# Altium PCB 400101.PcbDoc
Units mil, origin at the board's own origin, x right, y up, seen from the top; angles counter-clockwise.
Board outline 1662.55 x 630 mil, 4 copper layers (Top Layer, Mid-Layer 1, Mid-Layer 2, Bottom Layer), stack 80.154 mil thick; 78 components, 74 nets, 327 pads, 200 vias.
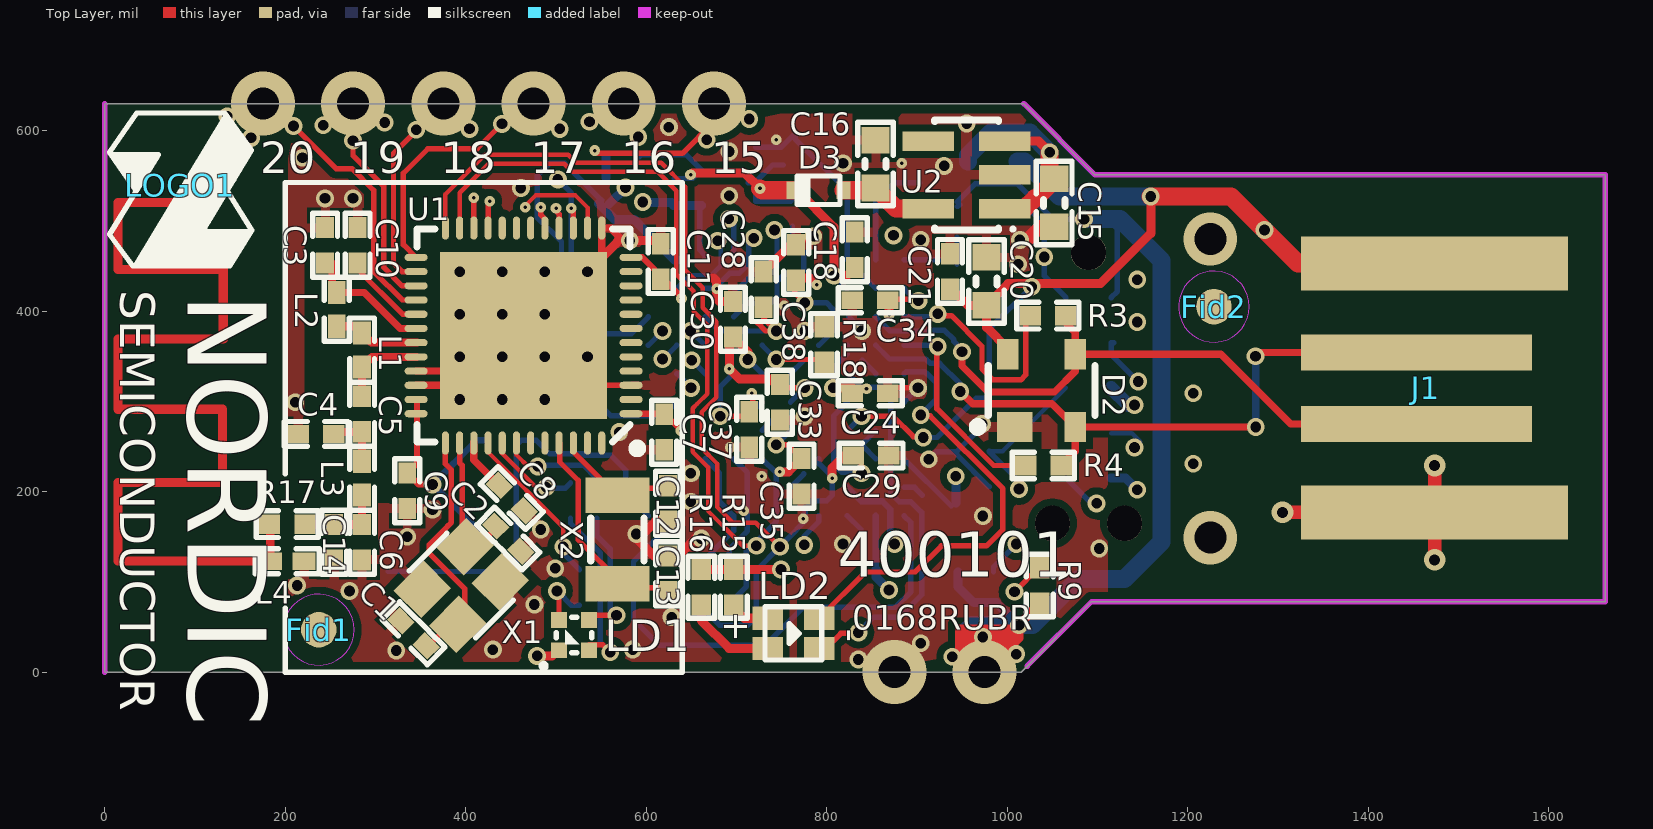
[diagram p0: Top Layer view]
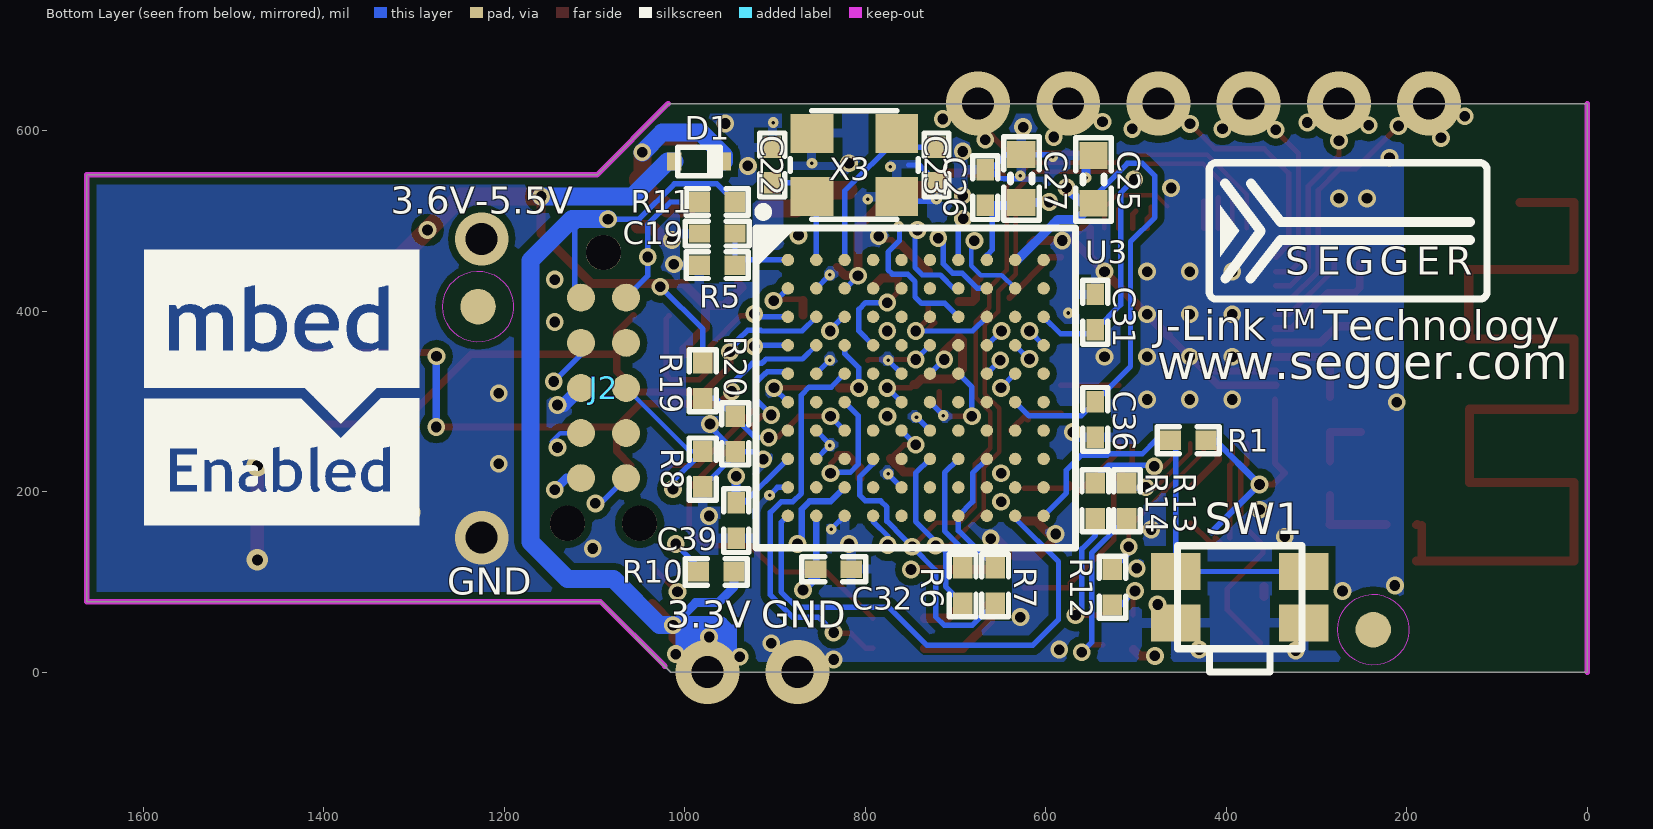
[diagram p1: Bottom Layer view, seen from below]
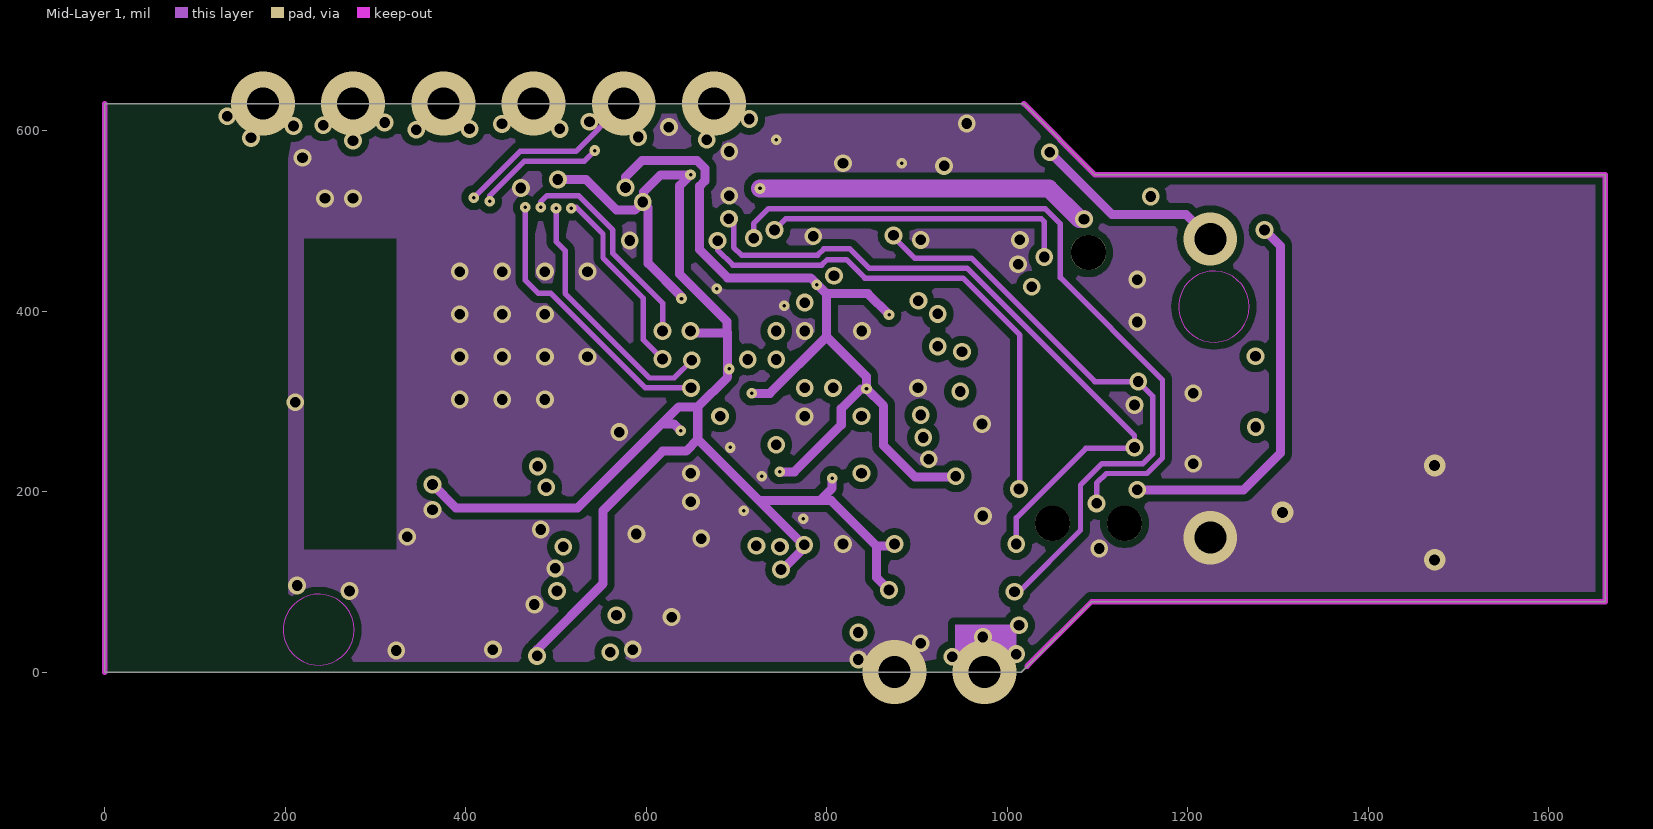
[diagram p2: Mid-Layer 1]
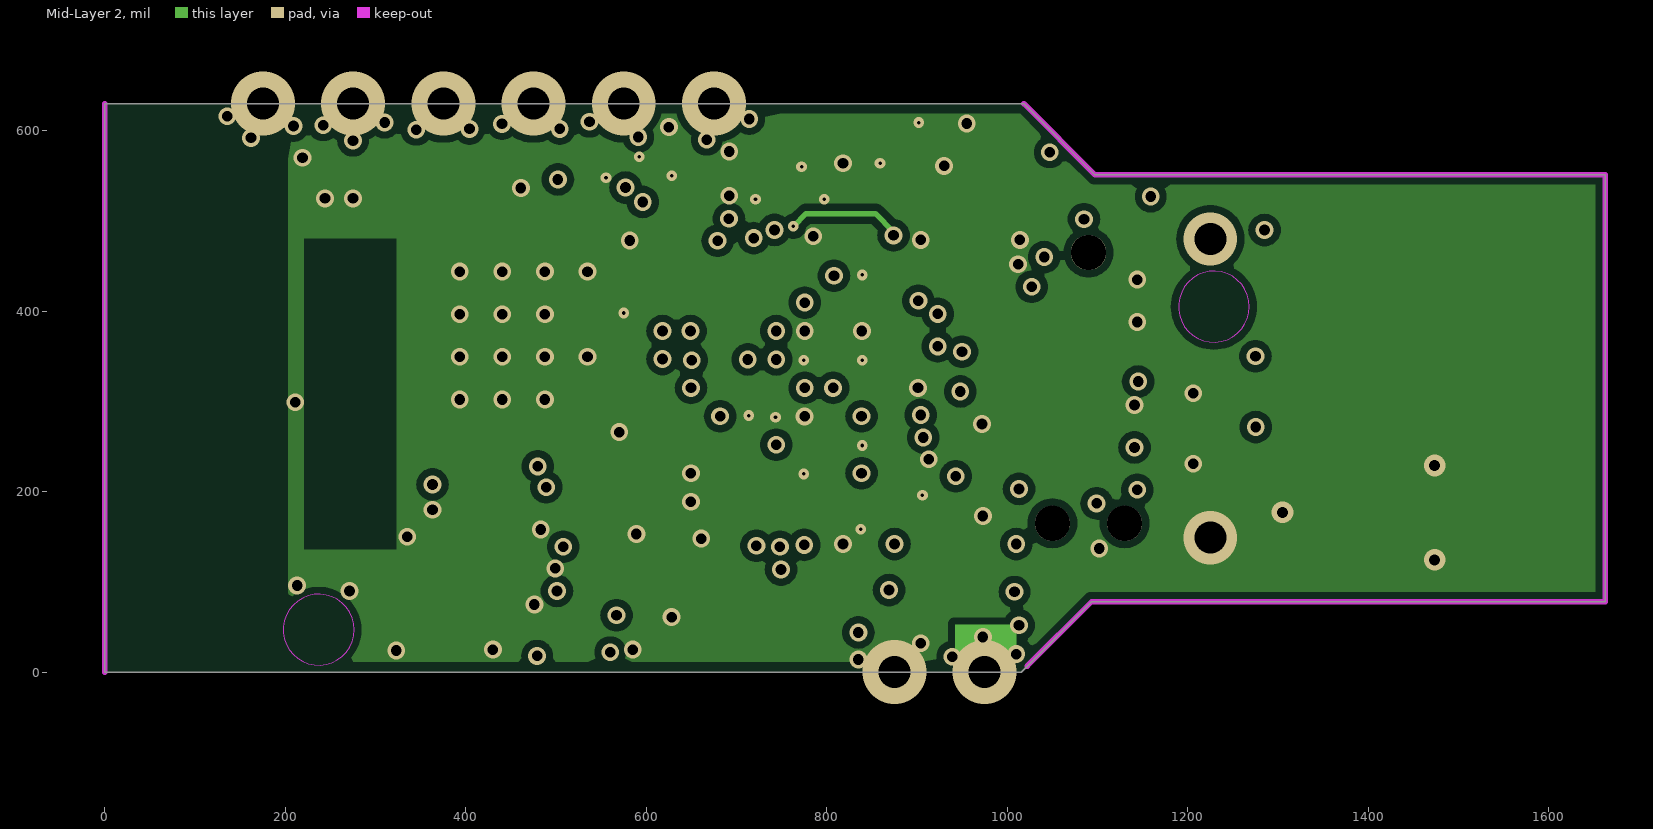
[diagram p3: Mid-Layer 2]
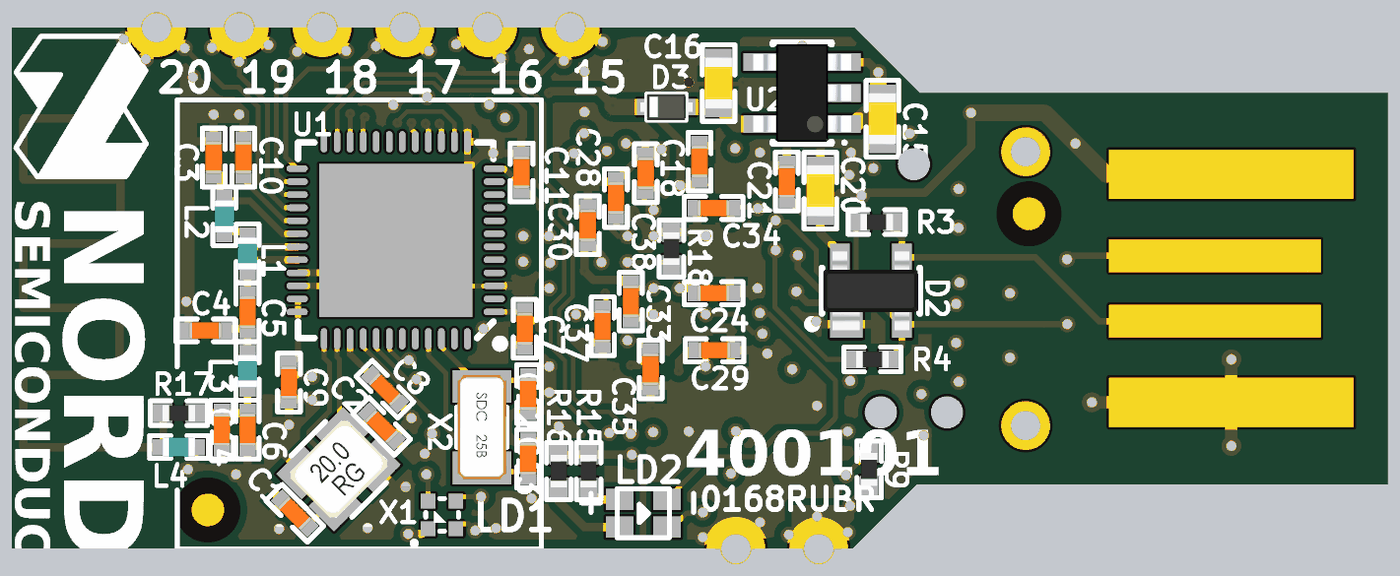
[diagram p4: 3D render of the assembled board from above, using the file's embedded part models]
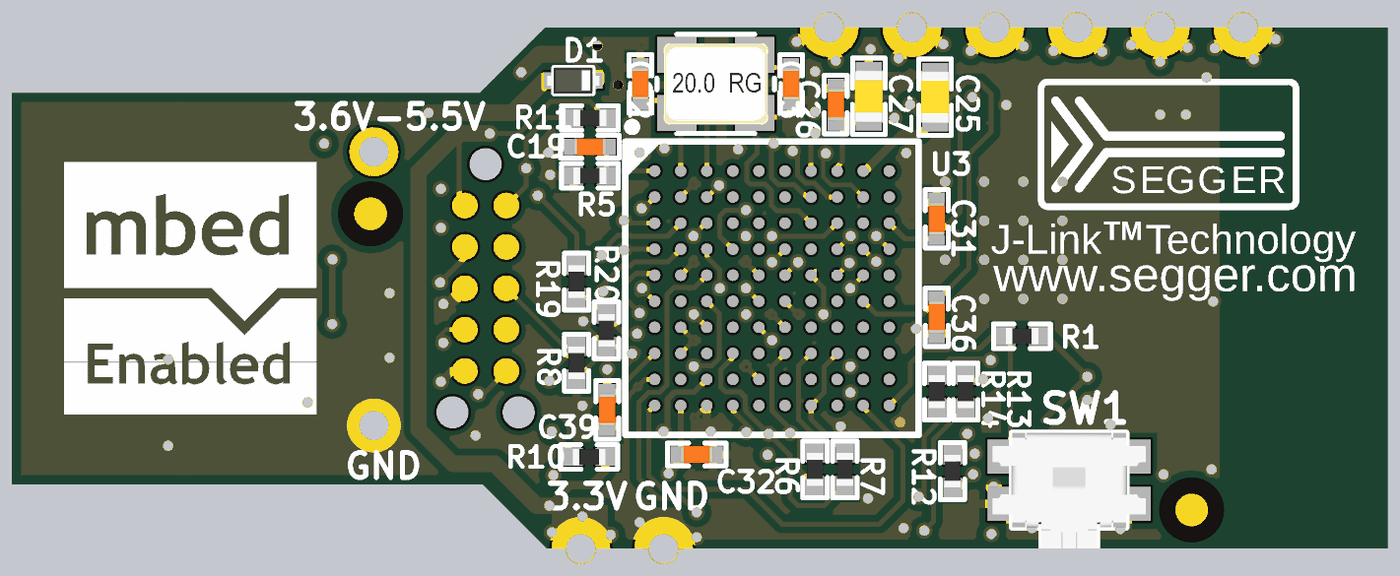
[diagram p5: 3D render of the assembled board from below, using the file's embedded part models]

## Layer stack, top to bottom
Top Solder: solder mask 0.4, Solder Resist, Dk 3.5
Top Layer: signal copper 0.7087
Dielectric1: prepreg 25.3268, FR-4, Dk 4.4
Mid-Layer 1: signal copper 1.378
Dielectric2: core 25.3268, FR-4, Dk 4.8
Mid-Layer 2: signal copper 1.378
Dielectric3: prepreg 25.3268, FR-4, Dk 4.8
Bottom Layer: signal copper 0.7087
Bottom Solder: solder mask 0.4, Solder Resist, Dk 3.5

## Board outline
0,0 0,630 1018.41,630 1018.41,629.92 1097.33,551 1097.52,551.19 1662.55,551.19 1662.55,77.97 1093.44,77.97 1093.41,78 1015.41,0

## Design rules (kind name [scope] priority, off if disabled: settings)
Clearance ANT_Clerance [InNet('ANT')] p1: gap=5
Clearance Polygon_Clearance [(InNamedPolygon('Top_Layer-GND')) or (InNamedPolygon('Bottom_Layer-GND')) or (InNamedPolygon('Mid_Layer_1-GND')) or (InNamedPolygon('Mid_Layer_2-GND'))] p2: gap=8
Clearance SB_Clearance [HasFootprint('Solderbridge')] p3: gap=5
Clearance [All] p4: gap=5
ComponentClearance [All] p1 off: gap=10 collisioncheckmode=3 verticalgap=10 showdistances=FALSE
DiffPairsRouting [All] p1: maxlimit=100 minlimit=5 mostfreqgap=5 toplayer_minwidth=15 toplayer_maxwidth=15 toplayer_prefwidth=15 midlayer1_minwidth=15 midlayer1_maxwidth=15 midlayer1_prefwidth=15 midlayer2_minwidth=15 midlayer2_maxwidth=15 midlayer2_prefwidth=15 bottomlayer_minwidth=15 bottomlayer_maxwidth=15 bottomlayer_prefwidth=15 maxuncoupledlength=500
FabricationTestPointUsage TestPointUsage [All] p1: valid=0 allowmultiple=FALSE
FabricationTestpoint Testpoint [All] p1: side=3 testpointundercomponent=TRUE minsize=40 maxsize=100 preferedsize=60 minholesize=0 maxholesize=40 preferedholesize=32 testpointgrid=1 allowsidetop=TRUE allowsidebottom=TRUE usegrid=TRUE gridtolerance=0.01
Height [All] p1 off: minheight=0 maxheight=1000 prefheight=500
HoleSize [All] p1: absolutevalues=TRUE maxlimit=100 minlimit=3.94 maxpercent=80.000 minpercent=20.000
MinimumAnnularRing [All] p1 off: minimumring=6
PolygonConnect PolygonConnect_1 [isVia and innet(gnd)] p1: connectstyle=Direct reliefconductorwidth=10 reliefentries=4 polygonreliefangle="90 Angle" airgapwidth=10
PolygonConnect [All] p2: connectstyle=Relief reliefconductorwidth=10 reliefentries=4 polygonreliefangle="90 Angle" airgapwidth=10
RoutingVias [All] p1: holewidth=8 width=16 viastyle="Through Hole" minholewidth=3.94 minwidth=10 maxholewidth=100 maxwidth=100
SilkToSolderMaskClearance SilkscreenOverComponentPads [IsPad] p1: minsilkscreentomaskgap=10 clearancetoexposedcopper=TRUE
SolderMaskExpansion [All] p1: expansion=3
Width [All] p1: maxlimit=100 minlimit=5 preferedwidth=6 minimp=50.000000 maximp=50.000000 favimp=50.000000
22 further rules are at their usual default settings.

## Classes and differential pairs
differential pair DFSD: +DFSD_P -DFSD_N
differential pair DHSD: +DHSD_P -DHSD_N

## Components (designator, comment, footprint, x,y, rotation, side; value= is the part's Value field where it differs from the comment)
C1 "12pF" CAPC1005X04L 342,43 r135 top (schematic designator C7)
C2 "12pF" CAPC1005X04L 447,148 r315 top
C3 "2.2nF" CAPC1005X04L 244,473 r90 top
C4 "1.0pF" CAPC1005X04L 234,264 r180 top
C5 "3.9pF" CAPC1005X04L 285,286 r270 top
C6 "1.5pF" CAPC1005X04L 285,144 r270 top
C7 "100nF" CAPC1005X04L 620,266 r270 top (schematic designator C9)
C8 "100nF" CAPC1005X04L 451,193 r315 top (schematic designator C10)
C9 "1.0nF" CAPC1005X04L 335,201 r270 top locked (schematic designator C8)
C10 "47nF" CAPC1005X04L 280,473 r90 top (schematic designator C11)
C11 "100nF" CAPC1005X04L 616,455.06 r90 top (schematic designator C12)
C12 "12pF" CAPC1005X04L 624,187 r270 top (schematic designator C14)
C13 "12pF" CAPC1005X04L 624,109 r90 top
C14 "1.0pF" CAPC1005X04L 254,144 r270 top (schematic designator C15)
C15 "1.0µF" CAPC1608X06L 1052,520 r90 top
C16 "1.0µF" CAPC1608X06L 854,563 r270 top
C18 "100nF" CAPC1005X04L 831,468 r270 top
C19 "10pF" CAPC1005X04L 964,486 r180 bottom
C20 "10µF" CAPC1608X06L 977,433 r270 top
C21 "100nF" CAPC1005X04L 936.5,444 r270 top
C22 "18pF" CAPC1005X04L 903,562 r90 bottom
C23 "18pF" CAPC1005X04L 721,562 r270 bottom
C24 "100nF" CAPC1005X04L 848,309 r0 top
C25 "10µF" CAPC1608X06L 547,546 r270 bottom
C26 "100nF" CAPC1005X04L 667,537 r270 bottom
C27 "10µF" CAPC1608X06L 627,547 r270 bottom
C28 "10nF" CAPC1005X04L 730,424 r270 top
C29 "100nF" CAPC1005X04L 849,240 r180 top
C30 "100nF" CAPC1005X04L 696,391 r270 top
C31 "100nF" CAPC1005X04L 545,399 r270 bottom
C32 "100nF" CAPC1005X04L 835,114 r0 bottom
C33 "100nF" CAPC1005X04L 748,299 r90 top
C34 "100nF" CAPC1005X04L 848,412 r0 top
C35 "100nF" CAPC1005X04L 772,217 r90 top
C36 "100nF" CAPC1005X04L 545,280 r90 bottom locked
C37 "100nF" CAPC1005X04L 714,269 r90 top
C38 "100nF" CAPC1005X04L 766,454 r270 top
C39 "100nF" CAPC1005X04L 943,168 r90 bottom
D1 "1PS79SB30.115" SOD-523 984,566 r0 bottom
D2 "PRTR5V0U2X" SOT190P230X110-4L 1038,312 r90 top
D3 "1PS79SB30.115" SOD-523 791,534 r0 top
Fid1 "Fiducial mark" Fiducial 237,47 r0 top
Fid2 "Fiducial mark" Fiducial 1229,405 r0 top
J1 "USB-A" USB-A-PCB 1465.7,314.97 r180 top
J2 "TC2050-IDC" TC2050-IDC-NLFP 1090,314.97 r270 bottom locked
L1 "4.7nH" INDC1005X04L 285,357 r270 top
L2 "27nH" INDC1005X04L 257,402 r270 top
L3 "3.3nH" INDC1005X04L 285,215 r270 top
L4 "1.8nH" INDC1005X04L 202,123 r180 top (schematic designator L5)
LD1 "LED RGB" SML-LX0404SIUPGUSB 520,41 r180 top
LD2 "LTST-C195KGJRKT" LED_DUAL_0606 763,43 r90 top
LOGO1 "Nordic Logo M" NORDIC_LOGO_M 83.08,539.67 r270 top
R1 "10k" RESC1005X04L 442,257 r180 bottom
R3 "39R" RESC1005X04L 1045,395 r0 top
R4 "39R" RESC1005X04L 1040,229 r0 top
R5 "6k8" RESC1005X04L 964,451 r180 bottom
R6 "150R" RESC1005X04L 692,96 r270 bottom
R7 "150R" RESC1005X04L 656,96 r270 bottom
R8 "4k7" RESC1005X04L 980,225 r270 bottom
R9 "4k7" RESC1005X04L 1036,96 r270 top
R10 "4k7" RESC1005X04L 965,111 r180 bottom
R11 "4k7" RESC1005X04L 964,521 r180 bottom
R12 "2k2" RESC1005X04L 526,94 r270 bottom
R13 "680R" RESC1005X04L 510,190 r270 bottom
R14 "820R" RESC1005X04L 545,190 r270 bottom
R15 "220R" RESC1005X04L 697,94 r270 top
R16 "220R" RESC1005X04L 661,94 r270 top
R17 "0R" RESC1005X04L 202,164 r180 top (schematic designator C11)
R18 "1k" RESC1005X04L 797,363 r270 top
R19 "6k8" RESC1005X04L 980,323 r270 bottom
R20 "8k2" RESC1005X04L 944,264 r270 bottom
SW1 "PTS840 GK SMTR LFS" EVQP7A/J/B/K 385,83 r180 bottom
U1 "nRF51422-QFAC" QFN40P600X600X90-48N 464,373 r180 top locked
U2 "TLV70233DBVT" SOT-23-5 955,551 r90 top
U3 "ATSAM3U2CA-CU" BGA100C80P10X10_900X900X110 744,315 r180 bottom locked
X1 "16MHz" BT-XTAL_2520 395,96 r45 top
X2 "32.768kHz" XTAL_3215 568,147 r270 top
X3 "12MHz" BT-XTAL_3225 812,562 r180 bottom

## Footprints (in the part's own frame and the unit in brackets; to place one, negate y for a bottom-side part, rotate by r counter-clockwise, add the part's x,y. Pads: shape width x height; smd on the part's side, far side on the other; paste and mask are expansions set on the pad)
BGA100C80P10X10_900X900X110 [mm] "BGA, 100-Leads, Body 9,0x9,0mm,  Pitch 0,80mm"
  round 0.35 smd: A1(-3.6,3.6) A2(-2.8,3.6) A3(-2,3.6) A4(-1.2,3.6) A5(-0.4,3.6) A6(0.4,3.6) A7(1.2,3.6) A8(2,3.6) A9(2.8,3.6) A10(3.6,3.6) B1(-3.6,2.8) B2(-2.8,2.8) B3(-2,2.8) B4(-1.2,2.8) B5(-0.4,2.8) B6(0.4,2.8) B7(1.2,2.8) B8(2,2.8) B9(2.8,2.8) B10(3.6,2.8) C1(-3.6,2) C2(-2.8,2) C3(-2,2) C4(-1.2,2) C5(-0.4,2) C6(0.4,2) C7(1.2,2) C8(2,2) C9(2.8,2) C10(3.6,2) D1(-3.6,1.2) D2(-2.8,1.2) D3(-2,1.2) D4(-1.2,1.2) D5(-0.4,1.2) D6(0.4,1.2) D7(1.2,1.2) D8(2,1.2) D9(2.8,1.2) D10(3.6,1.2) E1(-3.6,0.4) E2(-2.8,0.4) E3(-2,0.4) E4(-1.2,0.4) E5(-0.4,0.4) E6(0.4,0.4) E7(1.2,0.4) E8(2,0.4) E9(2.8,0.4) E10(3.6,0.4) F1(-3.6,-0.4) F2(-2.8,-0.4) F3(-2,-0.4) F4(-1.2,-0.4) F5(-0.4,-0.4) F6(0.4,-0.4) F7(1.2,-0.4) F8(2,-0.4) F9(2.8,-0.4) F10(3.6,-0.4) G1(-3.6,-1.2) G2(-2.8,-1.2) G3(-2,-1.2) G4(-1.2,-1.2) G5(-0.4,-1.2) G6(0.4,-1.2) G7(1.2,-1.2) G8(2,-1.2) G9(2.8,-1.2) G10(3.6,-1.2) H1(-3.6,-2) H2(-2.8,-2) H3(-2,-2) H4(-1.2,-2) H5(-0.4,-2) H6(0.4,-2) H7(1.2,-2) H8(2,-2) H9(2.8,-2) H10(3.6,-2) J1(-3.6,-2.8) J2(-2.8,-2.8) J3(-2,-2.8) J4(-1.2,-2.8) J5(-0.4,-2.8) J6(0.4,-2.8) J7(1.2,-2.8) J8(2,-2.8) J9(2.8,-2.8) J10(3.6,-2.8) K1(-3.6,-3.6) K2(-2.8,-3.6) K3(-2,-3.6) K4(-1.2,-3.6) K5(-0.4,-3.6) K6(0.4,-3.6) K7(1.2,-3.6) K8(2,-3.6) K9(2.8,-3.6) K10(3.6,-3.6)
  silkscreen extent -4.5,-4.5 4.5,5.08, body extent -4.5,-4.5 4.5,4.5, height 1.1
BT-XTAL_2520 [mm] "TSX-2520"
  rect 1.2x1.1 smd: 1(-0.85,-0.7) 2(0.85,-0.7) 3(0.85,0.7) 4(-0.85,0.7)
  silkscreen extent -1.55,-1.33 1.53,1.32, body extent -1.25,-1 1.27,1, height 0.56
BT-XTAL_3225 [mm] "Mercury X32 series"
  rect 1.2x1.1 smd: 1(-1.194,-0.89) 2(1.194,-0.89) 3(1.194,0.891) 4(-1.194,0.891)
  silkscreen extent -1.8,-1.52 1.8,1.52, body extent -1.6,-1.25 1.61,1.25, height 0.81
CAPC1005X04L [mm] "Chip Capacitor, 2-Leads, Body 1.0x0.5mm, IPC High Density"
  rect 0.6x0.5 smd: 1(-0.5,0) 2(0.5,0)
  silkscreen extent -0.9,-0.35 0.9,0.35, body extent -0.51,-0.25 0.51,0.25, height 0.5
CAPC1608X06L [mm] "Chip Capacitor, 2-Leads, Body 1.6x0.8mm, IPC High Density"
  rect 0.75x0.8 smd: 1(-0.675,0) 2(0.675,0)
  silkscreen extent -1.17,-0.5 1.17,0.5, body extent -0.8,-0.43 0.8,0.43, height 0.8
EVQP7A/J/B/K [mm] "Subminiature Side Actuated Tact Switch for SMT"
  rect 1.4x1.05 smd: 1(-1.8,0.725) 1(1.8,0.725) 2(-1.8,-0.725) 2(1.8,-0.725)
  silkscreen extent -1.75,-2.1 1.75,1.45, body extent -2.35,-2.1 2.35,1.45, height 1.35
Fiducial [mm] "Fiducial Mark"
  round 1 smd paste-10 mask+0.5: 0(0,0)
  round 1 smd far side paste-10 mask+0.5: 0(0,0)
  Keep-Out Layer circle w0.01: c0,0 r1
INDC1005X04L [mm] "Chip Inductor, 2-Leads, Body 1.0x0.5mm, IPC High Density"
  rect 0.65x0.5 smd: 1(-0.475,0) 2(0.475,0)
  silkscreen extent -0.9,-0.35 0.9,0.35, body extent -0.5,-0.3 0.5,0.3, height 0.5
LED_DUAL_0606 [mm]
  rect 0.65x0.85 smd paste+0: 1(0.425,0.725) 2(-0.425,0.725) 3(0.425,-0.725) 4(-0.425,-0.725)
  silkscreen extent -0.75,-0.8 0.75,0.8, body extent -0.75,-0.8 0.75,0.8, height 0.55